# Altium PCB RCJ22_driverboard_2.PcbDoc (part 1 of 3)
Units mm, origin at the board's own origin, x right, y up, seen from the top; angles counter-clockwise.
Board outline 91 x 109.68 mm, 4 copper layers (Top Layer, Layer 1, Layer 2, Bottom Layer), stack 1.283 mm thick; 182 components, 135 nets, 669 pads, 306 vias.
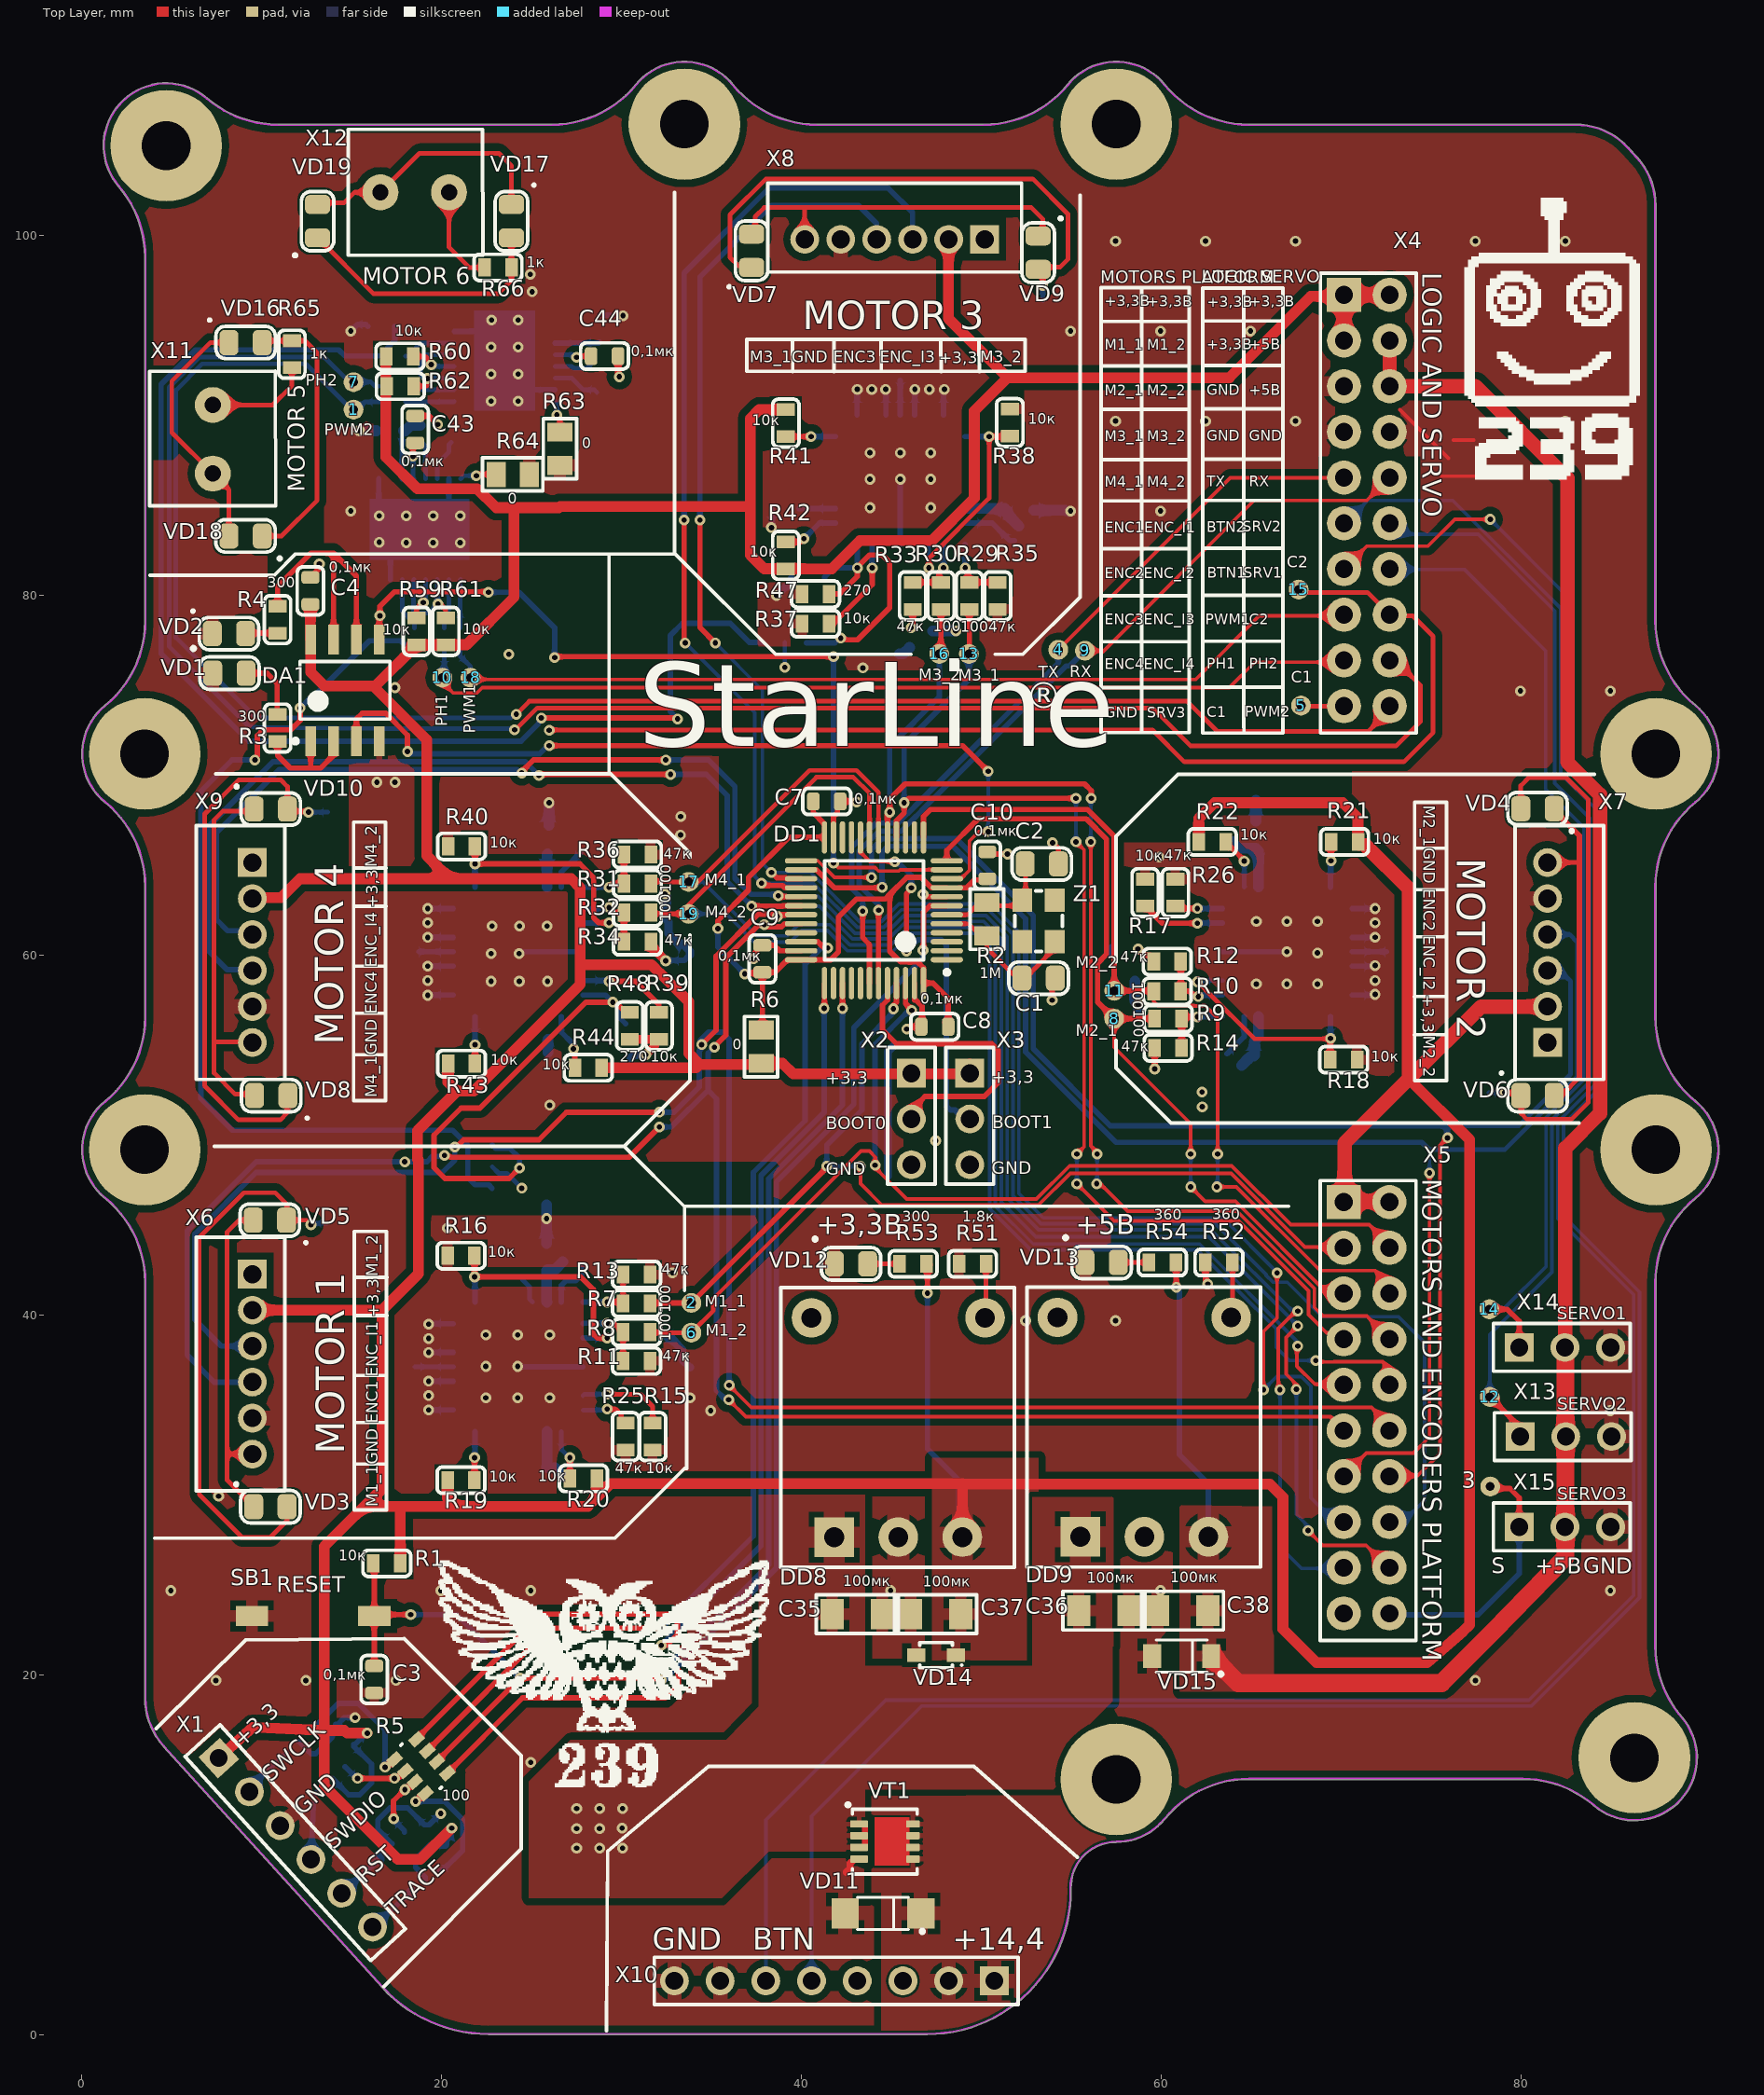
[diagram p0: Top Layer view]
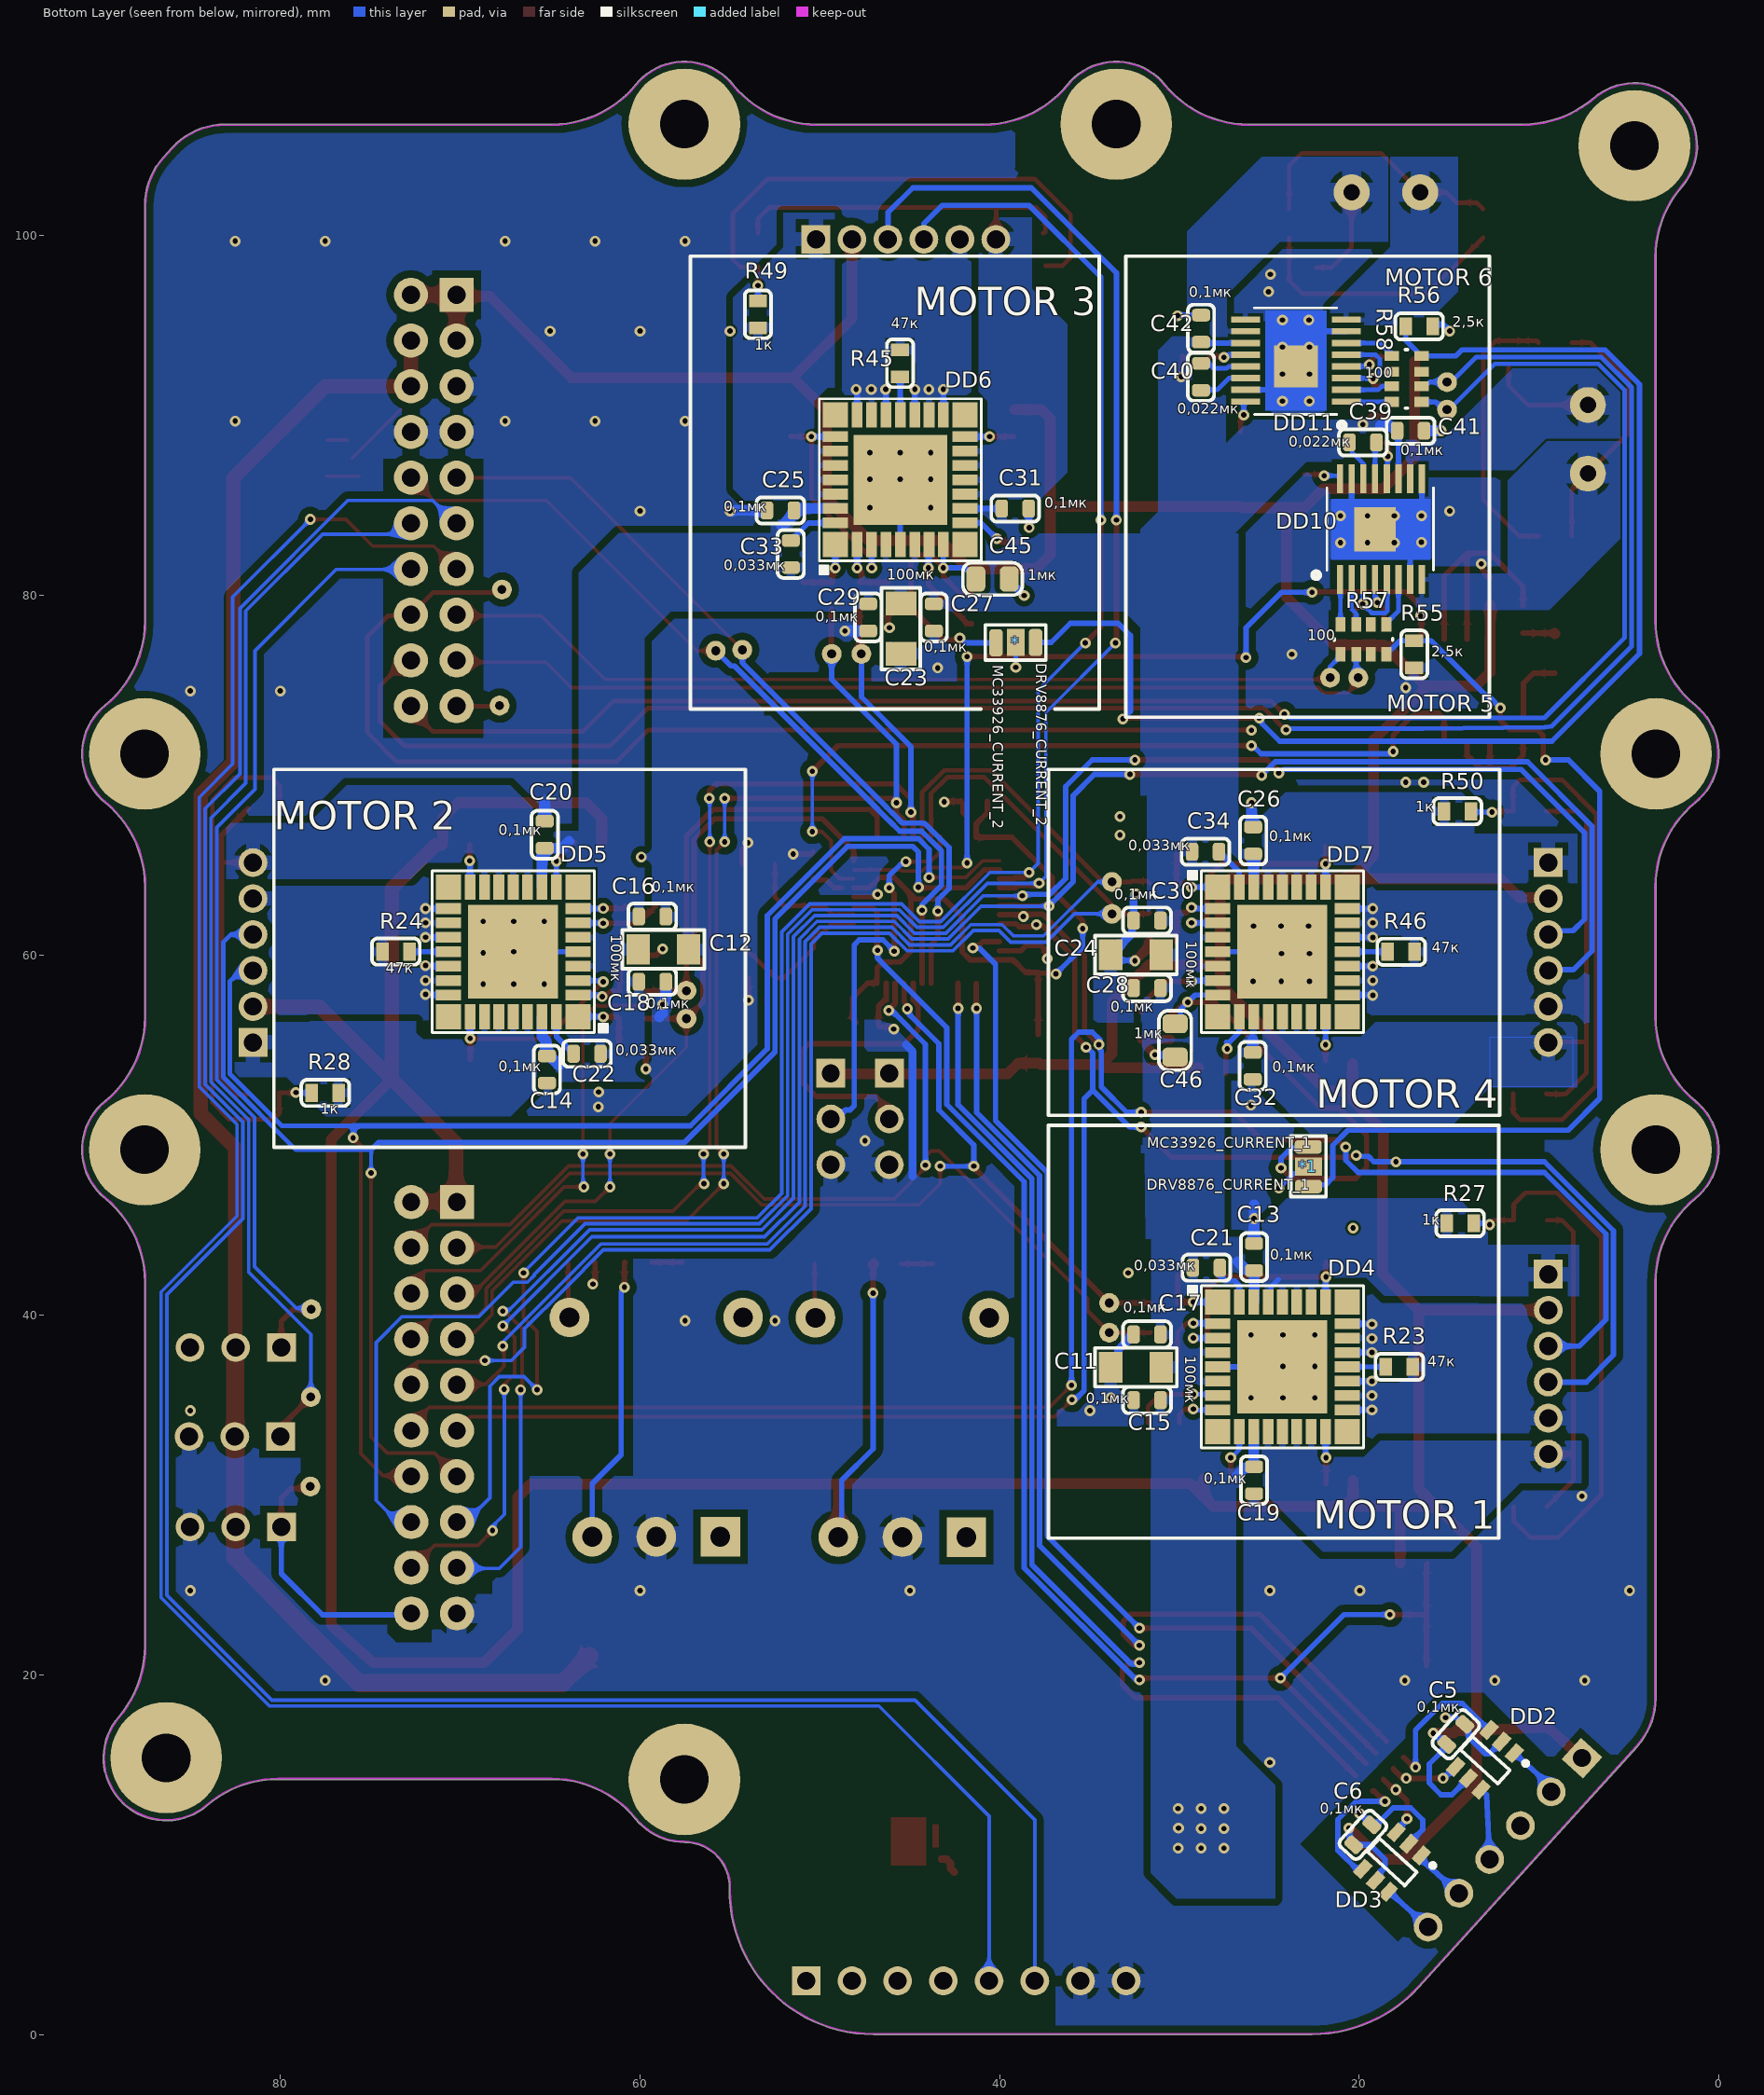
[diagram p1: Bottom Layer view, seen from below]
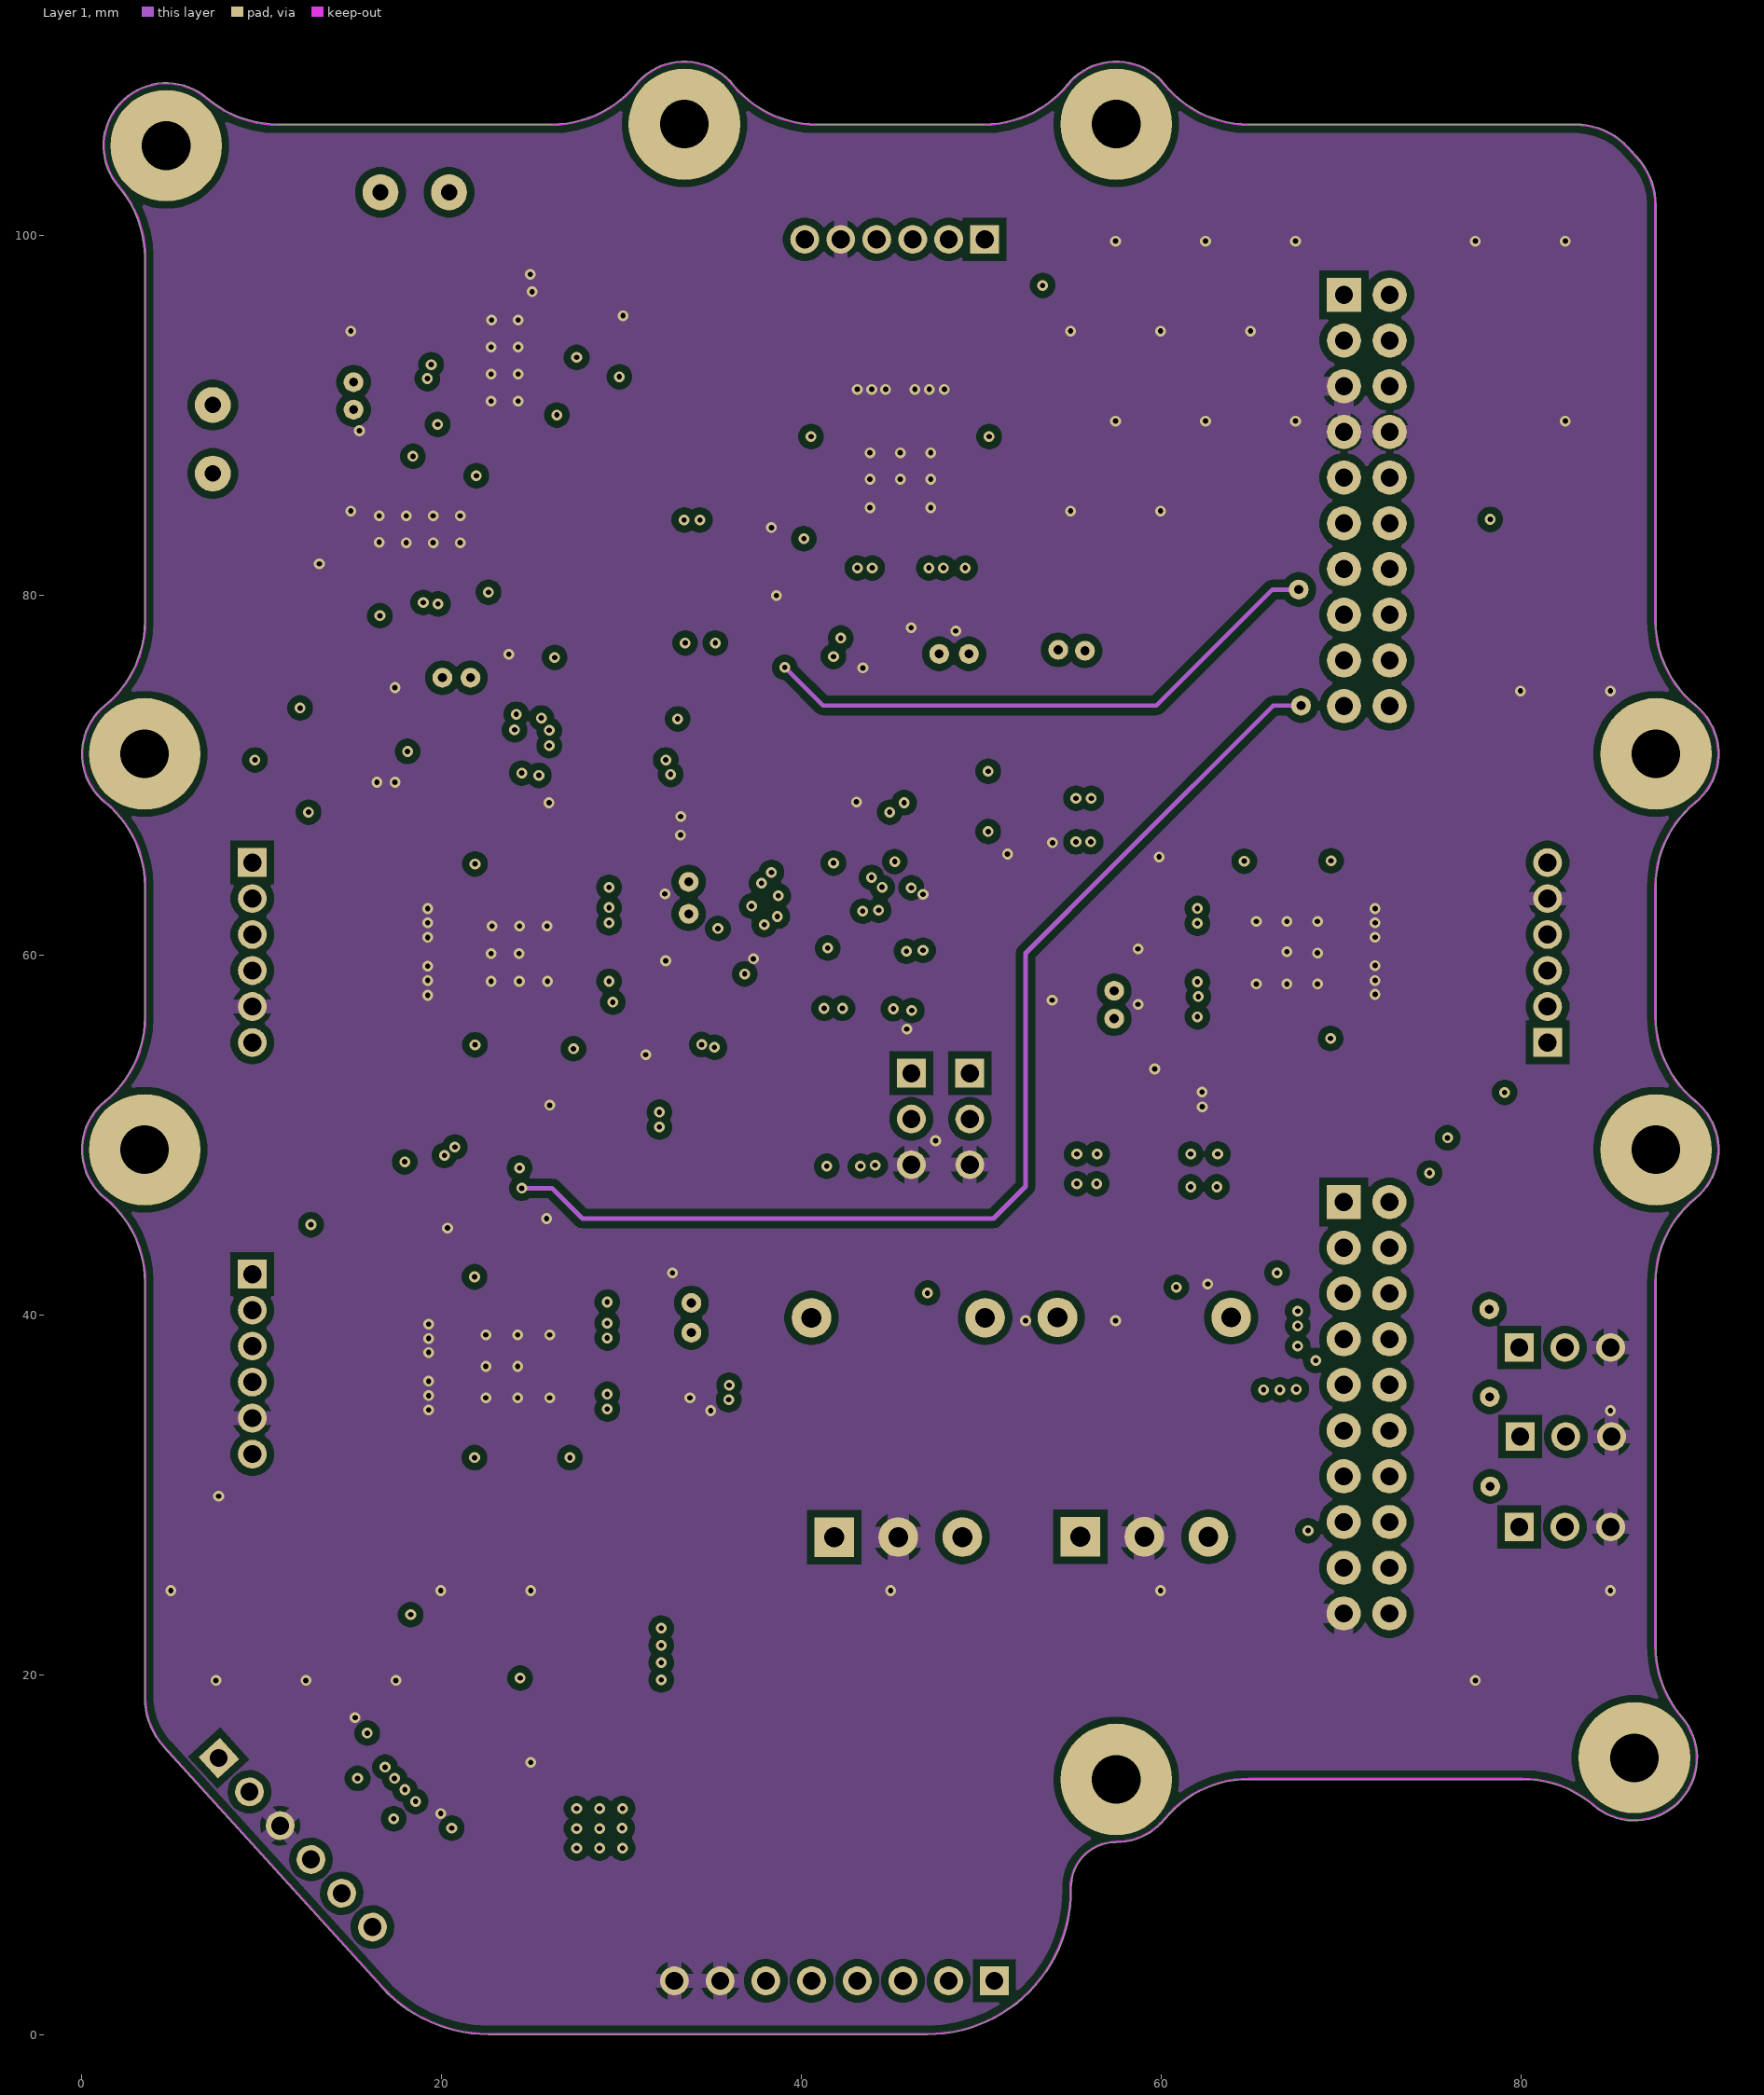
[diagram p2: Layer 1]